# KiCad board chocofi-switch_plate.kicad_pcb (continued)
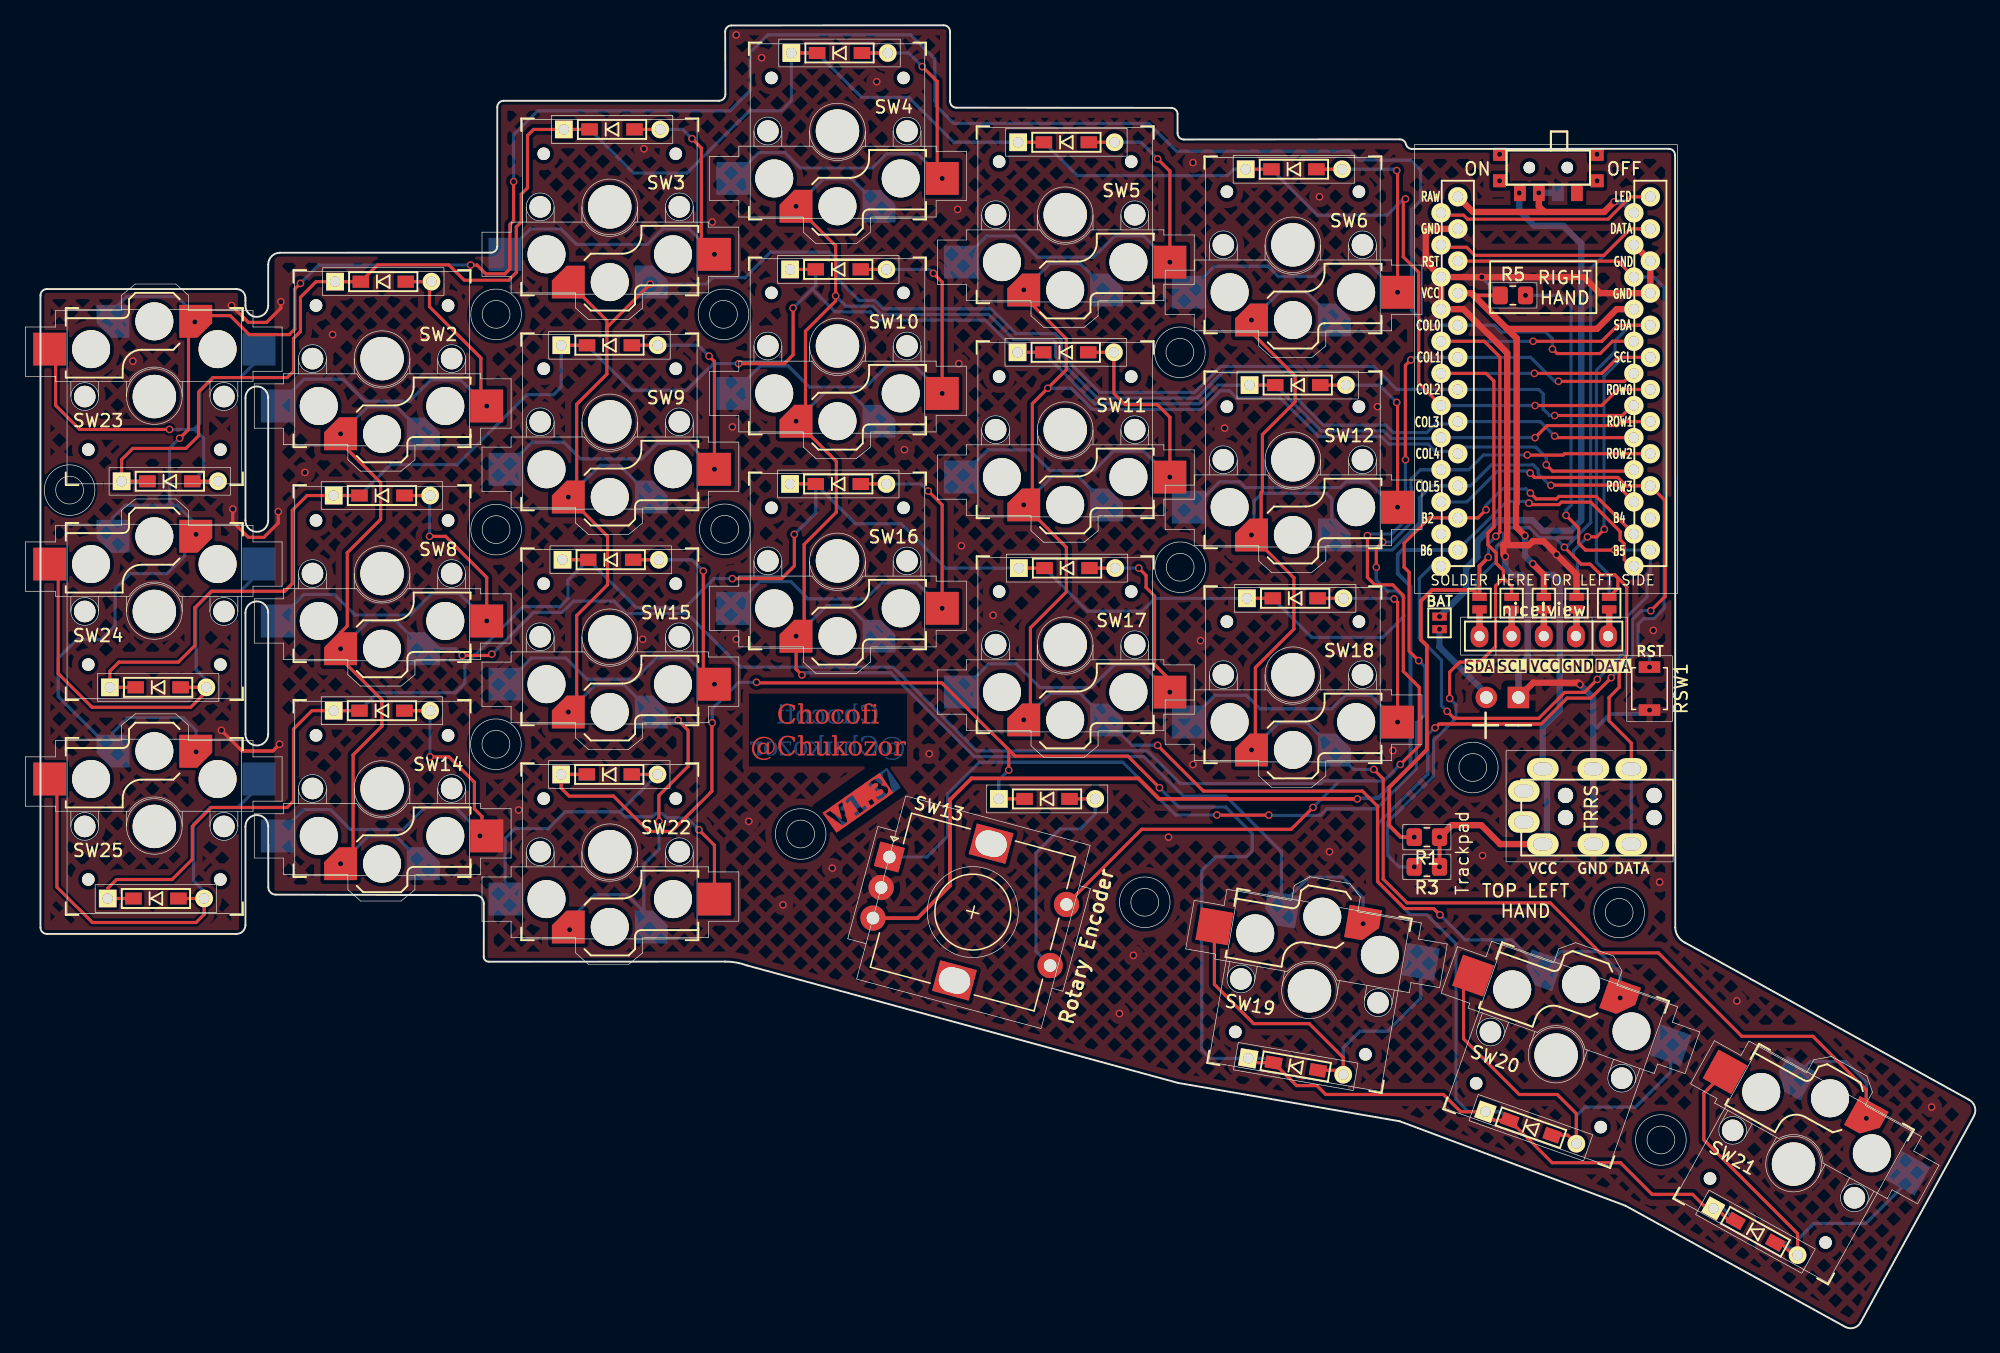
[diagram p0: board, top side]
## Routing (per net, layer and track width the routed paths; a pad name or vN(x,y) marks a point on that pad's centre or on a via; arc(x,y) is an arc through that point)
GND: length 119.7
  Top w0.25: v1(20,64.55) 20,63.65 18.87,62.51 17.63,62.51 16.4,63.75 v1(16.4,64.75) ; v1(20.1,46.15) 19.57,45.61 17.13,45.61 v1(15.5,47.25) ; v1(20.2,81.15) 20.2,80.65 19.07,79.51 17.63,79.51 v1(16.3,80.85)
  Top w0.5: U1.3 v1(115.14,83.1) 123.18,83.1 124.45,81.83 U1.4 U1.3 127.19,85.64 U1.23 ; U1.3 U1.4 113.68,80.56 117.14,77.1 117.14,62.19 116.84,61.89 ; U1.3 110.7,84.31 110.7,86.86 110.75,86.91 U1.23 ; v1(122.89,50.87) 122.75,51.02 119.2,51.02 J3.1 ; JP7.1 122.62,59.57 v1(121.04,61.15) 121.04,61.18 120.02,62.2 119.15,62.2 118.85,61.89 116.84,61.89 ; v1(116.99,61) 116.84,61.14 116.84,61.89
  Bottom w0.3: v1(128.39,48.85) 128.09,48.55 125.29,48.55 123.95,47.21 123.95,45.7 ; v1(115.14,83.1) R6.2
  Bottom w0.5: v1(116.99,61) 116.99,60.04 117.49,59.54 118.28,59.54 118.77,59.05 118.77,53.03 118.03,52.29 J3.1 ; J1.C J1.C 123.95,49.81 v1(122.89,50.87)
  vias: v1(8.5,76.45) v1(22.1,67.65) v1(24.29,78.55) v1(31.49,78.45) v1(39,40.95) v1(48.8,54.45) v1(48.9,93.25) v1(54.3,87.45) v1(55.89,71.25) v1(56.2,102.25) v1(56.2,54.45) v1(57.19,40.05) v1(58.2,100.45) v1(59.89,33.45) v1(63.79,36.35) v1(67.3,98.55) v1(69.49,69.45) v1(71.45,45.4) v1(73.7,88.45) v1(73.79,76.25) v1(73.99,61.85) v1(76.5,56.35) v1(86.49,24.85) v1(87.59,29.45) v1(90.36,38.8) v1(92.3,92.15) v1(92.3,44.55) v1(92.9,54.35) v1(94.8,71.15) v1(102.3,89.45) v1(103.09,37.65) v1(106.89,72.85) v1(108.1,45.65) v1(115.19,37.35) v1(128.69,55.15) v1(129.19,35.25) v1(135.29,25.85) v1(150.69,17.45)
VCC: length 76.5
  Top w0.3: v1(111.79,38.8) v1(111.79,36.45) ; R5.1 114.49,81.65
  Top w0.5: JP5.1 120.04,59.55 119.17,60.42 v1(119.16,60.42) ; 117.09,79.05 117.89,78.25 117.89,65.21 117.84,65.16 117.84,63.35 v1(118.54,62.65) ; 117.09,79.05 117.14,79 124.23,79 125.79,80.56 U1.21 ; 117.09,79.05 114.31,81.83 ; v1(111.79,38.8) 112.74,39.75 115.09,39.75 116.59,38.25 J1.D ; 114.49,81.65 114.31,81.83 ; 114.31,81.83 U1.21
  Bottom w0.5: J1.D 120.29,38.59 120.29,43.86 J1.D 119.95,47.51 121.3,48.86 121.3,59.08 120.83,59.55 120.04,59.55 118.54,61.05 v1(118.54,62.65)
(no net):
  vias: v1(116.54,92.81) v1(116.54,90.71) v1(124.24,92.81) v1(124.24,90.71)
col0: length 226.9
  Top w0.25: v1(21.75,82.6) 21.3,82.15 21.3,78.98 20.86,78.55 17.7,78.55 16.2,80.05 13.93,80.05 SW23.1 13.43,79.55 v1(13.4,79.55) 12.9,79.05 12.9,71.05 v1(12.2,70.35) ; v1(38.6,90.65) 38.6,87.55 38.3,87.25 38.3,83.75 37.9,83.35 36.4,83.35 35.7,84.05 v1(35.2,84.05) ; v1(120.72,77.39) 120.75,77.39 121.09,77.05 124.49,77.05 125.46,78.02 127.02,78.02 ; SW24.1 13.48,62.72 v1(13.5,62.75) ; v1(13.5,45.55) 13.5,45.65
  Bottom w0.25: v1(21.75,82.6) 23.2,84.05 v1(35.2,84.05) ; v1(13.4,79.55) 13.4,80.15 12,81.55 8,81.55 6.93,80.47 6.93,79.6 ; 11.7,65.05 11.4,65.35 11.4,69.55 v1(12.2,70.35) ; 11.7,65.05 7.9,65.05 6.93,64.07 6.93,62.6 ; 11.7,65.05 12,65.05 13.5,63.55 v1(13.5,62.75) 12.6,61.85 12.6,61.05 11.2,59.65 8.3,59.65 7.1,58.45 7.1,55.55 6,54.45 4.1,54.45 2.6,52.95 2.6,49.92 6.93,45.6 6.93,47.07 8.1,48.25 12.5,48.25 13.5,47.25 v1(13.5,45.55) ; v1(120.72,77.39) 120.72,78.22 120.19,78.75 116.69,78.75 116.15,79.29 U1.20 110.76,79.29 109.6,80.45 109.6,88.45 110.3,89.15 110.3,91.55 109.5,92.35 105.4,92.35 104.7,93.05 91,93.05 88.8,95.25 73.4,95.25 72,96.65 72,96.95 71.9,97.05 71.9,100.35 70,102.25 58.7,102.25 57.3,100.85 57.3,97.85 55.7,96.25 40.5,96.25 38.6,94.35 v1(38.6,90.65)
col1: length 232.1
  Top w0.25: v1(101.79,41.15) 100.07,39.42 88.25,39.42 SW13.S1 ; v1(34.54,53.17) 36.78,53.17 v1(36.88,53.27) ; v1(108.69,44.55) 110.19,46.05 110.19,50.65 108.92,51.91 108.92,57.91 108.09,58.75 106.69,58.75 106.09,59.35 v1(106.09,62.65) ; v1(24.93,70.7) 24.93,70 28.09,66.84 28.09,63.94 25.45,61.3 25.45,55.51 24.93,54.98 v1(24.93,53.7) 24.93,52.93 28.19,49.66 28.19,47.58 25.91,45.3 25.91,37.68 v1(24.93,36.7) ; v1(121.19,74.85) 121.19,74.85 126.39,74.85 127.02,75.48 ; v1(109.1,68.65) 109.09,68.66 109.09,76.11 v1(109.52,76.55)
  Bottom w0.25: SW2.1 29.34,72.83 27.06,72.83 v1(24.93,70.7) ; v1(108.69,44.55) 107.39,43.25 103.89,43.25 ; 103.89,43.25 102.6,43.25 102.39,43.04 91.3,43.04 88.72,45.62 75.22,45.62 68.59,52.25 56.55,52.25 52.32,56.48 47.52,56.48 46.53,57.47 43.34,57.47 42.45,56.58 40.19,56.58 v1(36.88,53.27) ; 103.89,43.25 v1(101.79,41.15) ; v1(109.1,68.65) 109.09,68.64 109.09,65.17 109.1,65.16 109.1,63.86 108.01,62.77 106.21,62.77 v1(106.09,62.65) ; v1(24.93,53.7) 27.14,55.91 29.26,55.91 SW8.1 34.01,53.7 v1(34.54,53.17) ; v1(24.93,36.7) 27.12,38.9 29.28,38.9 SW14.1 ; v1(121.19,74.85) 120.89,74.85 118.99,76.75 U1.19 109.72,76.75 v1(109.52,76.55)
col2: length 180.3
  Top w0.25: v1(42.93,48.7) 43.59,49.36 43.59,56.32 46.02,58.76 46.02,62.6 v1(42.93,65.7) 43.59,66.36 43.59,73.03 45.97,75.42 45.97,78.65 ; 45.97,78.65 45.97,79.12 v1(49.4,82.55) ; 45.97,78.65 45.97,79.65 42.93,82.7 ; 127.02,72.94 126.23,72.15 v1(120.89,72.15) ; 51.79,48.15 51.69,48.05 v1(51.59,48.05) 52.39,47.25 52.39,44.4 50.09,42.1 v1(50.09,40.05)
  Bottom w0.25: SW9.1 46.97,68.21 45.43,68.21 v1(42.93,65.7) ; v1(43.03,31.48) 43.03,32.24 45.04,34.25 47.55,34.25 49.48,32.32 SW22.1 48.89,32.28 48.89,36.65 50.09,37.85 v1(50.09,40.05) ; SW3.1 v1(49.4,82.55) 53.8,82.55 54.3,83.05 56.9,83.05 58.92,85.07 63.55,85.07 64.31,84.31 64.31,82.84 65.9,81.25 67.17,81.25 67.83,80.59 76.33,80.59 78.3,78.62 81.41,78.62 81.89,78.13 81.89,77 84.91,73.98 92.43,73.98 94.48,76.03 106.58,76.03 108.4,74.21 U1.18 119.63,74.21 119.99,73.85 119.99,72.65 120.49,72.15 v1(120.89,72.15) ; v1(42.93,48.7) 45.07,50.84 47.33,50.84 SW15.1 50.12,48.05 v1(51.59,48.05)
col3: length 198.3
  Top w0.25: 127.02,70.4 121.02,70.4 v1(120.89,70.52) ; v1(60.93,88.7) 64.06,85.57 v1(64.06,81.62) 64.06,81.21 61.67,78.82 61.67,72.44 v1(60.93,71.7) 64.11,68.52 64.11,64.5 61.57,61.96 61.57,55.34 v1(60.93,54.7) 60.93,52.09 v1(61.39,51.62)
  Bottom w0.25: v1(60.93,71.7) 63.18,73.96 65.22,73.96 SW10.1 ; v1(64.06,81.62) 64.88,80.8 66.99,80.8 67.64,80.14 76.14,80.14 78.12,78.17 81.22,78.17 81.44,77.95 81.44,76.81 84.73,73.53 92.61,73.53 94.67,75.58 99.96,75.58 100.39,75.15 100.39,73.61 102.61,71.39 107.55,71.39 108.15,70.79 110.77,70.79 111.46,71.49 113.05,71.49 U1.17 119.75,71.67 v1(120.89,70.52) ; v1(60.93,54.7) 63.36,57.13 65.04,57.13 SW16.1 ; v1(61.39,51.62) 61.57,51.8 68.4,51.8 75.03,45.17 88.42,45.17 91.54,42.05 94.89,42.05 99.3,37.64 SW19.1 99.3,33.45 101.49,35.65 104.09,35.65 105.75,33.99 v1(105.75,31.95) ; v1(60.93,88.7) 63.09,90.86 65.31,90.86 SW4.1
col4: length 171.2
  Top w0.25: v1(89.51,46.06) 93.12,42.45 105.69,42.45 106.89,41.25 106.89,35.3 109.04,33.15 111.33,33.15 v1(111.82,32.66) ; U1.16 127.04,67.75 120.73,67.75 120.23,68.24 v1(120.23,68.25) ; v1(78.92,48.07) 79.45,48.6 79.45,55.35 82.29,58.2 82.29,61.71 v1(78.92,65.08) 79.6,65.76 79.6,73.08 v1(80.82,74.3) 82.29,75.78 82.29,78.21 78.92,81.58 v1(78.92,82.08)
  Bottom w0.25: v1(126.07,26.09) 126.07,28.07 124.39,29.75 121.38,29.75 SW20.1 117.48,30.68 113.8,30.68 v1(111.82,32.66) ; SW5.1 83.4,84.16 81,84.16 v1(78.92,82.08) ; v1(78.92,48.07) 81.02,50.17 83.38,50.17 SW17.1 87.48,46.07 89.49,46.07 v1(89.51,46.06) ; v1(78.92,65.08) 81.19,67.34 83.21,67.34 SW11.1 ; v1(80.82,74.3) 82.68,74.3 84.35,72.63 92.99,72.63 94.47,74.11 95.18,74.11 95.75,73.53 99.19,73.53 102.24,70.49 107.18,70.49 107.78,69.89 110.88,69.89 111.46,69.31 113.05,69.31 U1.16 113.76,69.65 119.41,69.65 120.23,68.82 v1(120.23,68.25)
col5: length 168.3
  Top w0.25: v1(96.92,45.7) 97.23,46 97.23,52.2 100.28,55.25 100.28,59.32 96.92,62.67 v1(96.92,62.7) 97.69,63.46 97.69,66.07 97.79,66.17 97.79,70.65 100.38,73.24 100.38,75.27 96.92,78.72 v1(96.92,79.7) ; v1(120.59,66.62) 120.61,66.65 125.82,66.65 U1.15 ; 106.78,44.16 v1(106.59,44.16) 107.34,43.41 107.34,35.48 109.23,33.6 120.55,33.6 124.5,29.65 129.09,29.65 135.69,23.05 141.3,23.05 145.52,18.83 v1(145.52,16.56)
  Bottom w0.25: v1(145.52,16.56) 145.52,19.42 143.89,21.05 141.11,21.05 SW21.1 ; v1(106.59,44.16) 105.02,44.16 SW18.1 101.34,47.84 99.06,47.84 v1(96.92,45.7) ; v1(96.92,79.7) 99.15,81.92 101.25,81.92 SW6.1 ; v1(96.92,62.7) 97.13,62.9 97.13,65.38 97.74,66 102.84,66 103.28,65.56 103.28,62.9 SW12.1 104.66,61.52 108.06,61.52 110.19,63.65 110.19,65.62 111.16,66.59 U1.15 114.23,66.59 115.89,68.25 119.19,68.25 119.59,67.85 119.59,67.55 120.52,66.62 v1(120.59,66.62)
data: length 89.9
  Top w0.25: v1(121.67,61.72) 122.99,60.4 123.68,60.4 124.53,59.55 125.64,59.55 126.59,58.6 126.59,53.15 125.99,52.55 125.99,50.65 125.19,49.85 125.19,48 126.95,46.24 J1.B ; JP11.1 125.89,58.5 125.89,59.3 125.72,59.47 ; U1.2 112.09,85.46 113.93,85.46 114.57,84.82 124.79,84.82 126.88,86.91 U1.2
  Bottom w0.25: JP12.1 114.69,58.07 114.69,59.04 116.29,60.64 116.29,61.8 116.47,61.97 116.5,61.97 116.86,62.34 116.86,62.82 117.32,63.27 118.9,63.27 119.7,62.47 120.92,62.47 ; 120.92,62.47 v1(121.67,61.72) 121.77,61.72 122.54,62.5 ; 120.92,62.47 122.52,62.47 122.54,62.5 ; 122.54,62.5 123.74,63.7 123.74,83.77 126.88,86.91 U1.2 ; J1.B J1.B
ENCA: length 90.7
  Top w0.25: v1(115.47,64.69) 114.82,64.05 U1.14 111.09,64.05 110.99,64.05 108.99,62.05 108.99,60.15 109.39,59.75 109.39,53.51 v1(110.14,52.76) ; U1.14 124.18,65.75 121.24,65.75 121.04,65.55 119.44,65.55 v1(118.97,66.01) ; v1(94.19,40.55) v1(98.29,40.55)
  Bottom w0.25: v1(110.14,52.76) 110.64,52.26 110.64,48.5 109.99,47.85 109.97,47.85 109.97,44.22 106.79,41.05 102.89,41.05 102.36,40.52 98.32,40.52 v1(98.29,40.55) ; SW13.A 71.27,37.23 72.9,38.86 72.9,42.21 75.42,44.72 86.75,44.72 90.93,40.55 v1(94.19,40.55) 94.09,40.55 ; v1(118.97,66.01) 118.64,66.35 116.76,66.35 115.47,65.06 v1(115.47,64.69)
ENCB: length 93.7
  Top w0.25: U1.13 126.9,60.24 126.39,60.75 126.39,62 126.06,62.33 126.06,62.98 123.74,65.3 121.42,65.3 121.22,65.1 118.98,65.1 v1(118.86,65.22)
  Top w0.3: v1(105.29,41.82) 89.62,41.82 87.99,43.45 74.79,43.45 73.09,41.75 73.09,34.96 70.53,32.4 SW13.B
  Bottom w0.25: U1.13 114.48,62.75 114.49,62.75 117.09,65.35 118.73,65.35 v1(118.86,65.22)
  Bottom w0.3: v1(105.29,41.82) 105.35,41.88 106.94,41.88 109.49,44.43 109.49,58.65 108.49,59.65 108.49,61.15 108.85,61.51 U1.13
Handedness: length 68.1
  Top w0.25: v1(124.26,51.28) 123.23,50.25 121.69,50.25 119.64,48.2 112.94,48.2 v1(112.39,48.75) ; v1(125.63,61.51) 123.33,61.51 122.79,62.05 122.79,63.25 v1(121.79,64.25)
  Bottom w0.25: v1(125.63,61.51) U1.12 128.46,59.81 128.19,59.55 128.19,57.81 126.59,56.21 126.59,53.61 v1(124.26,51.28) ; v1(118.59,81.65) 121.39,81.65 122.19,80.85 122.19,65.05 121.79,64.65 v1(121.79,64.25) ; v1(112.39,48.75) 111.94,49.2 111.94,52.8 110.19,54.55 110.19,59.25 111.18,60.24 U1.12
LED: length 17.5
  Top w0.25: U1.1 126.88,89.45 125.11,87.67 114.01,87.67 113.69,88 112.09,88 U1.1
RAW: length 18.3
  Top w0.5: 120.09,88.25 119.64,88.7 v1(119.64,89.76) ; 120.09,88.25 114.44,88.25 U1.24 ; 120.09,88.25 124.8,88.25 v1(125.59,89.04)
  Bottom w0.5: v1(125.59,89.04) 126.28,89.04 U1.24 ; SW1.2 v1(119.64,89.76)
reset: length 48.9
  Top w0.25: U1.22 125.88,84.37 U1.22
  Bottom w0.25: U1.22 128.74,83.1 129.54,82.3 129.54,56.88 128.75,56.08 127.93,56.08 127.49,55.65 127.49,53.95 128.39,53.05 v1(128.39,52.25)
row0: length 188.8
  Top w0.25: v1(109.1,89.27) 108.92,89.1 108.92,84.7 110.15,83.47 110.15,74.7 U1.7 ; D4.1 D4.1 ; D6.1 D6.1 ; D5.1 D5.1 ; D3.1 D3.1 40.18,94.78 39.7,94.29 39.7,90.15 39.2,89.65 39.2,87.45 38.81,87.06 38.81,83.46 38.2,82.85 34.7,82.85 33.49,84.06 27.84,84.06 D2.1 D2.1 22.99,82.74 21.75,81.5 21.75,78.8 21.2,78.25 21.2,75.65 20.7,75.15 14.85,75.15 13.7,74 13.7,70.55 12.7,69.55 8.5,69.55 7.62,68.66 D13.1 D13.1 ; U1.7 125.89,74.21 124.62,72.94 v1(119.34,72.94)
  Bottom w0.25: D3.1 D3.1 48.06,91.32 52.3,91.32 57.23,96.25 59.77,96.25 60.55,97.04 D4.1 D4.1 66.09,97.32 69.83,97.32 73.39,93.76 D5.1 D5.1 83.16,91.12 95.01,91.12 95.52,91.63 D6.1 D6.1 102.14,87.99 107.64,87.99 108.92,89.27 v1(109.1,89.27) ; U1.7 v1(119.34,72.94) ; D2.1 D2.1 ; D13.1 D13.1
row1: length 172.4
  Top w0.25: U1.8 126.14,71.67 125.82,71.35 120.29,71.35 v1(119.34,70.4) ; D11.1 D11.1 ; 8.73,50.65 D22.1 6.69,51.94 7.4,52.65 12.1,52.65 13.4,53.95 13.4,56.95 14.7,58.25 20.5,58.25 21.1,58.85 21.1,64.65 22.27,65.82 D8.1 D8.1 ; v1(56.39,76.25) 59.99,76.25 60.69,76.95 v1(60.69,80.65) ; 44.4,77.71 D9.1 ; D10.1 D10.1 ; D12.1 D12.1
  Bottom w0.25: v1(56.39,76.25) 54.39,76.25 52.29,74.15 52.29,74.15 47.96,74.15 44.4,77.71 D9.1 42.37,74.4 41.76,73.79 39.67,73.79 34.14,68.26 28.86,68.26 D8.1 D8.1 ; 62.2,82.15 64.01,80.35 66.8,80.35 67.45,79.7 75.89,79.7 D11.1 D11.1 84.54,73.08 92.8,73.08 94.28,74.56 D12.1 D12.1 102.43,70.94 107.36,70.94 107.96,70.34 111.85,70.34 U1.8 v1(119.34,70.4) ; 62.2,82.15 62.49,82.43 D10.1 D10.1 ; 62.2,82.15 60.7,80.65 v1(60.69,80.65) ; D22.1 8.73,50.65
row2: length 187.5
  Top w0.25: D18.1 D18.1 ; v1(107.29,62.14) 106.79,61.64 v1(106.79,60.15) ; D14.1 D14.1 22.65,48.8 21.2,47.35 21.2,41.65 20.7,41.15 14.7,41.15 13.2,39.65 13.2,37.05 11.6,35.45 7.2,35.45 6.52,34.76 D23.1 D23.1 ; v1(60.79,62.75) 60.79,60.25 59.79,59.25 v1(55.89,59.25) ; D17.1 D17.1 ; D16.1 D16.1 ; U1.9 121.67,69.13 121.57,69.02 v1(118.73,69.02) ; D15.1 D15.1
  Bottom w0.25: D16.1 65.64,63.58 69.24,63.58 72.74,60.08 D17.1 D17.1 83.97,56.68 88.29,56.68 89.31,57.69 D18.1 D18.1 101.7,54.59 107.29,54.59 108.99,56.29 108.99,57.74 108.46,58.27 107.67,58.27 106.79,59.15 v1(106.79,60.15) ; D16.1 D16.1 ; D16.1 62.49,64.44 v1(60.79,62.75) ; D23.1 D23.1 ; v1(118.73,69.02) 115.27,69.02 114.1,67.86 U1.9 110.27,67.86 109.54,67.12 109.54,66.45 109.55,66.44 109.55,63.67 108.02,62.14 v1(107.29,62.14) ; D14.1 D14.1 27.84,50.22 33.98,50.22 34.75,50.99 34.75,52.41 39.37,57.03 42.26,57.03 42.89,57.66 42.89,59.13 D15.1 ; v1(55.89,59.25) 54.44,59.25 52.12,56.93 48.31,56.93 D15.1 ; D15.1 D15.1
row3: length 248.5
  Top w0.25: 89.64,42.73 89.66,42.71 v1(89.65,42.71) 89.65,42.72 87.16,45.21 78.23,45.21 77.74,45.7 ; D1.1 D1.1 42.35,42.69 42.99,42.05 46.49,42.05 49.29,39.25 51.09,39.25 54.27,42.43 54.27,47.82 v1(54.3,47.85) ; v1(111.44,47.45) 111.74,47.75 119.83,47.75 121.88,49.8 123.75,49.8 v1(125.36,51.42) ; v1(57.8,51.05) 57.85,51 72.44,51 77.74,45.7 ; D7.1 D7.1 ; D21.1 134.69,8.45 133.7,9.44 D21.1 132.9,9.44 131.79,10.55 128.59,10.55 126.09,13.05 120.69,13.05 117.34,16.4 D20.1 116.09,16.41 D20.1 113.46,17.08 112.09,18.45 102.8,18.45 102.1,19.15 100.49,19.15 D19.1 97.02,20.96 D19.1 ; 77.74,45.7 v1(77.74,44.1) ; v1(118.96,67.59) 119.31,67.25 125.89,67.25 126.55,66.59 U1.10 129.62,65.43 129.62,57.84 v1(128.49,56.71)
  Bottom w0.25: v1(77.74,44.1) 76.95,43.31 D7.1 D7.1 ; D19.1 98.33,21.31 D19.1 93.65,21.31 92.99,21.97 92.99,36.14 94.1,37.25 96.52,37.25 96.98,37.71 96.98,39.09 94.9,41.17 91.19,41.17 v1(89.65,42.71) ; v1(57.8,51.05) 56.4,51.05 54.3,48.95 v1(54.3,47.85) ; NOREF#4.1 44.38,43.76 D1.1 D1.1 ; U1.10 113.96,65.32 116.39,67.75 118.81,67.75 v1(118.96,67.59) ; v1(125.36,51.42) 125.36,51.42 127.04,53.1 127.04,56.01 127.74,56.71 v1(128.49,56.71) ; D20.1 116.66,17.08 D20.1 114.06,17.08 113.09,18.05 113.09,30.36 110.77,32.68 109.48,32.68 106.93,35.23 106.93,39.85 110.86,43.79 110.86,46.92 111.39,47.45 v1(111.44,47.45) ; D21.1 134.22,9.44 D21.1
  Bottom w0.5: NOREF#4.1 44.39,43.75 D1.1
SCL: length 92.4
  Top w0.25: 116.84,59.29 116.22,58.67 116.22,53.88 114.99,52.65 113.39,52.65 112.59,51.85 v1(112.59,49.77) ; 116.84,59.29 116.84,59.89 116.27,60.46 116.27,61.27 115.61,61.92 115.61,62.86 116.09,63.33 116.09,74.86 115.47,75.48 U1.6 ; 116.84,59.29 117.49,58.65 JP3.1 ; v1(119.29,75.48) 124.62,75.48 125.89,76.75 U1.6 ; v1(124.82,63.15) 124.22,62.55 v1(123.49,62.55)
  Bottom w0.25: v1(112.59,49.77) 113.09,49.27 113.09,48.21 111.32,46.44 111.32,43.6 107.69,39.98 107.69,37.35 108.59,36.45 v1(109.79,36.45) ; U1.6 126.29,76.75 124.79,75.25 124.79,63.17 v1(124.82,63.15) ; v1(123.49,62.55) 122.39,61.45 122.39,60.95 122.69,60.65 122.69,57.88 JP6.1 ; U1.6 v1(119.29,75.48)
SDA: length 93.2
  Top w0.25: v1(119.19,78.02) 124.62,78.02 125.89,79.29 U1.5 ; U1.5 115.32,78.02 116.57,76.77 116.57,62.92 v1(116.24,62.6)
  Top w0.3: v1(109.79,38.8) 108.74,38.8 107.82,39.72 107.82,42.75 110.79,45.73 110.79,53.94 110.32,54.41 110.32,57.47 111.19,58.35 114.41,58.35 JP1.1 114.95,60.24 v1(115.64,60.93)
  Bottom w0.25: JP8.1 125.2,59.55 124.19,60.56 124.19,75.72 125.67,77.2 125.67,78.08 126.88,79.29 U1.5 ; v1(115.64,60.93) 115.64,62 v1(116.24,62.6) ; U1.5 v1(119.19,78.02)
Net-(D1-A): length 36.1
  Top w0.25: SW22.2 54.48,38.15 v1(53.24,39.39) ; 47.94,43.76 D1.2
  Bottom w0.25: 47.02,40.81 47.42,40.41 49.57,40.41 49.83,40.67 50.35,40.67 50.69,40.33 52.3,40.33 v1(53.24,39.39) ; 47.02,40.81 42.67,40.81 41.33,39.47 38.69,39.47 37.93,38.7 37.93,33.9 ; 47.02,40.81 D1.2 47.94,43.76
  Bottom w0.5: 49.96,43.75 D1.2
Net-(D2-A): length 35.5
  Top w0.25: v1(36.48,72.9) 36.02,73.36 36.02,76.69 31.95,80.75 31.95,82.58 D2.2 D2.2
  Bottom w0.25: 19.93,72.9 22.04,75.01 25.14,75.01 26.87,73.28 30.37,73.28 32.05,74.96 34.41,74.96 v1(36.48,72.9) ; D2.2 D2.2
Net-(D3-A): length 36
  Top w0.25: D3.2 D3.2 ; v1(52.7,94.05) 53.44,93.31 53.44,85.93 v1(54.48,84.9)
  Bottom w0.25: D3.2 D3.2 51.97,94.78 v1(52.7,94.05) ; 37.93,84.9 39.93,86.9 42.34,86.9 43.56,85.68 49.17,85.68 50.39,86.9 52.47,86.9 v1(54.48,84.9)
Net-(D4-A): length 35.9
  Top w0.25: v1(70.9,99.75) 72.08,98.56 72.08,91.29 v1(72.48,90.9) ; D4.2 D4.2
  Bottom w0.25: 55.93,90.9 57.97,92.95 60.04,92.95 61.26,91.73 66.95,91.73 68.07,92.84 70.53,92.84 v1(72.48,90.9) ; D4.2 D4.2 69.83,100.82 v1(70.9,99.75)
Net-(D5-A): length 36.2
  Top w0.25: v1(89.5,92.45) 90.48,91.47 v1(90.48,84.28) ; D5.2 D5.2
  Bottom w0.25: v1(89.5,92.45) 88.19,93.76 D5.2 D5.2 ; SW5.2 75.99,86.34 78.33,86.34 80.01,84.67 84.43,84.67 86.1,86.34 88.41,86.34 v1(90.48,84.28)
Net-(D6-A): length 37.2
  Top w0.25: v1(108.41,91.52) 108.48,91.46 v1(108.48,81.9) ; D6.2 D6.2
  Bottom w0.25: v1(108.41,91.52) 108.3,91.63 D6.2 D6.2 ; v1(108.48,81.9) 106.22,84.16 102.92,84.16 101.9,83.14 99.06,83.14 98.25,83.95 93.98,83.95 SW6.2
Net-(D7-A): length 20.6
  Top w0.25: D7.2 D7.2
  Top w0.5: SW13.S2 81.03,28.63
  Bottom w0.25: D7.2 D7.2 84.58,40.63 83.39,39.45 81.79,39.45 79.89,37.55 79.89,29.77 SW13.S2
Net-(D8-A): length 36.3
  Top w0.25: D8.2 D8.2 ; v1(36.48,55.9) 36.48,59.34 33.22,62.59 v1(31.95,62.59)
  Bottom w0.25: D8.2 D8.2 31.95,65.77 v1(31.95,62.59) ; v1(36.48,55.9) 34.28,58.09 32.15,58.09 30.43,56.37 26.06,56.37 24.43,58 22.02,58 19.93,55.9
Net-(D9-A): length 36.9
  Top w0.25: v1(54.05,76.84) 54.48,76.42 v1(54.48,67.9) ; D9.2 D9.2
  Bottom w0.25: v1(54.48,67.9) 52.44,69.93 49.94,69.93 48.72,68.71 43.89,68.71 42.57,70.04 40.06,70.04 37.93,67.9 ; v1(54.05,76.84) 53.19,77.71 D9.2 D9.2
Net-(D10-A): length 37.4
  Top w0.25: v1(72.48,73.9) 72.48,82.7 v1(71.78,83.4) ; D10.2 D10.2
  Bottom w0.25: 55.93,73.9 58.11,76.08 60.3,76.08 61.97,74.4 66.45,74.4 68.12,76.08 70.29,76.08 v1(72.48,73.9) ; D10.2 D10.2 71.47,83.7 v1(71.78,83.4)
Net-(D11-A): length 36.9
  Top w0.25: v1(90.48,67.28) 90.48,72.02 89.48,73.01 86.94,73.01 86.05,73.9 D11.2 D11.2
  Bottom w0.25: v1(90.48,67.28) 88.43,69.32 86,69.32 84.47,67.79 81,67.79 79.37,69.43 76.07,69.43 SW11.2 ; D11.2 D11.2
Net-(D12-A): length 35.5
  Top w0.25: v1(108.48,64.9) 108.48,73.12 v1(108.41,73.19) ; D12.2 D12.2
  Bottom w0.25: D12.2 D12.2 107.03,74.56 v1(108.41,73.19) ; SW12.2 92.39,64.9 94.39,66.9 95.99,66.9 96.44,66.45 103.94,66.45 104.39,66.9 106.19,66.9 108.19,64.9 v1(108.48,64.9)
Net-(D13-A): length 35.2
  Top w0.25: D13.2 15.23,66.95 15.23,66.66 ; v1(11.4,71.05) 4.3,71.05 2.4,72.95 2.4,76.92 SW23.2
  Bottom w0.25: 15.23,66.96 15.23,66.95 D13.2 14.1,67.85 14.1,70.35 13.4,71.05 v1(11.4,71.05) ; 18.08,77.4 18.08,76.22 17,75.15 14.8,75.15 13.8,74.15 13.8,71.55 13.3,71.05
Net-(D14-A): length 36.8
  Top w0.25: D14.2 D14.2 ; 36.1,38.9 36.1,40.44 35.5,41.04 35.5,43.15 33.5,45.15 v1(31.99,45.15) ; v1(35.94,38.9) 35.29,39.55
  Bottom w0.25: v1(31.99,45.15) 31.99,48.79 D14.2 D14.2 ; v1(35.94,38.9) 35.94,39.21 34,41.15 31.6,41.15 29.85,39.4 25.7,39.4 24.13,40.98 22,40.98 19.93,38.9
Net-(D15-A): length 36.9
  Top w0.25: D15.2 D15.2 ; v1(54.48,50.9) 53.59,51.78 v1(53.59,59.85)
  Bottom w0.25: D15.2 D15.2 52.7,60.74 v1(53.59,59.85) ; v1(54.48,50.9) 52.41,52.97 49.88,52.97 48.21,51.29 44.4,51.29 42.72,52.97 39.99,52.97 37.93,50.9
Net-(D16-A): length 36.7
  Top w0.25: D16.2 D16.2 ; v1(72.48,56.9) 72.48,65.07 v1(71.37,66.17)
  Bottom w0.25: v1(71.37,66.17) 70.81,66.73 D16.2 D16.2 ; v1(72.48,56.9) 70.46,58.91 67.72,58.91 66.45,57.64 61.87,57.64 60.5,59.01 58.04,59.01 55.93,56.9
Net-(D17-A): length 36.7
  Top w0.25: v1(90.48,50.27) 90.49,50.29 90.49,51.22 89.27,52.45 89.27,57.87 88.59,58.55 88.59,59.5 v1(88.02,60.08) ; D17.2 D17.2
  Bottom w0.25: v1(90.48,50.27) 88.29,52.46 86.1,52.46 84.28,50.63 80.21,50.63 78.33,52.51 76.16,52.51 SW17.2 ; v1(88.02,60.08) D17.2 D17.2
Net-(D18-A): length 37.2
  Top w0.25: v1(108.48,47.9) 108.48,57.37 v1(108.2,57.64) ; D18.2 D18.2
  Bottom w0.25: SW18.2 94.05,50.02 96.52,50.02 97.59,48.95 103.28,48.95 104.34,50.02 106.35,50.02 v1(108.48,47.9) ; v1(108.2,57.64) 108.15,57.69 D18.2 D18.2
Net-(D19-A): length 35.6
  Top w0.25: SW19.2 93.99,27.14 97.09,24.05 101.49,24.05 104.18,21.36 D19.2 103.83,20.36 D19.2
  Bottom w0.25: D19.2 103.83,20.36 D19.2 104.18,22.14 105.49,23.45 107.69,23.45 110.3,26.06 SW19.2
Net-(D20-A): length 36.8
  Top w0.25: D20.2 121.93,15.23 D20.2 122.61,16.93 121.09,18.45 118.09,18.45 113.69,22.85 113.69,27.25 114.29,27.85 SW20.2
  Bottom w0.25: SW20.2 130.06,20.21 127.29,17.45 123.29,17.45 122.61,16.76 D20.2 121.93,15.23 D20.2
Net-(D21-A): length 35.1
  Top w0.25: SW21.2 132.69,18.57 132.69,14.85 140.09,7.44 D21.2 139.74,5.74 138.76,6.73 D21.2
  Bottom w0.25: D21.2 139.11,6.73 D21.2 140.09,6.95 141.39,8.25 145.49,8.25 148.83,11.59 SW21.2
Net-(D22-A): length 39.5
  Top w0.25: 14.19,50.47 14.19,50.18 13.08,49.07 5.28,49.07 2.6,51.75 2.6,59.62 2,60.22 ; D22.2 D22.2
  Bottom w0.25: 18.08,60.4 18.08,59.32 17,58.25 14.8,58.25 13.5,56.95 13.5,52.05 14.31,51.24 D22.2 D22.2
Net-(D23-A): length 40.3
  Top w0.25: SW25.2 2.5,42.82 2.5,34.85 5.3,32.05 13.5,32.05 14.14,32.68 D23.2 D23.2
  Bottom w0.25: D23.2 14.14,34.51 13.3,35.35 13.3,39.85 14.6,41.15 16.8,41.15 18.08,42.42 18.08,43.4 ; D23.2 14.14,33.97 14.11,34 ; D23.2 D23.2
Net-(J2-Pin_1): length 4.2
  Top w0.5: JP1.2 J2.1
  Bottom w0.5: JP1.2 J2.1
Net-(J2-Pin_2): length 4.2
  Top w0.5: JP3.2 J2.2
  Bottom w0.5: JP2.2 J2.2
Net-(J2-Pin_3): length 4.2
  Top w0.5: JP5.2 120.04,54.71 J2.3
  Bottom w0.5: J2.3 120.04,54.71 JP4.2
Net-(J2-Pin_4): length 4.3
  Top w0.5: JP7.2 122.62,54.75 J2.4
  Bottom w0.5: J2.4 122.62,54.75 JP7.2
Net-(J2-Pin_5): length 4.3
  Top w0.5: JP11.2 125.2,54.79 J2.5
  Bottom w0.5: JP11.2 125.2,54.79 J2.5
Net-(J3-Pin_2): length 6.9
  Bottom w0.5: v1(111.79,55.25) 111.79,53.85 115.49,50.15 J3.2
Net-(JP10-B): length 46.4
  Bottom w0.5: v1(111.79,56.25) 113.89,58.35 113.89,60.05 114.79,60.95 114.79,62.21 116.45,63.87 119.12,63.87 119.94,63.05 122.19,63.05 122.99,63.85 122.99,85.75 121.59,87.15 119.29,87.15 118.09,88.35 v1(118.09,89.75) 118.14,89.41

## Copper pours and planes (outline as drawn; the poured copper is in the pictures)
GND on Top, Bottom: 19.7,104.05 158.6,104.95 156.7,-2.95 19.7,8.75
GND on Top, Bottom: 16.8,84.35 -0.7,84.35 -0.6,26.55 16.9,26.55

## Text on the board
Bottom: Chocofi / @Chukozor | V1.3
B.Silkscreen: SOLDER HERE FOR RIGHT SIDE | DATA | GND | VCC | SCL | SDA | RST | BAT | Trackpad | ON | TOP RIGHT / HAND | LEFT / HAND | OFF | Rotary Encoder
Top: Chocofi / @Chukozor | V1.3
F.Silkscreen: SOLDER HERE FOR LEFT SIDE | SDA | SCL | VCC | GND | DATA | RST | BAT | Trackpad | ON | TOP LEFT / HAND | RIGHT / HAND | OFF | Rotary Encoder
